# Altium PCB SNES TST Main.PcbDoc (part 3 of 3) (continued)
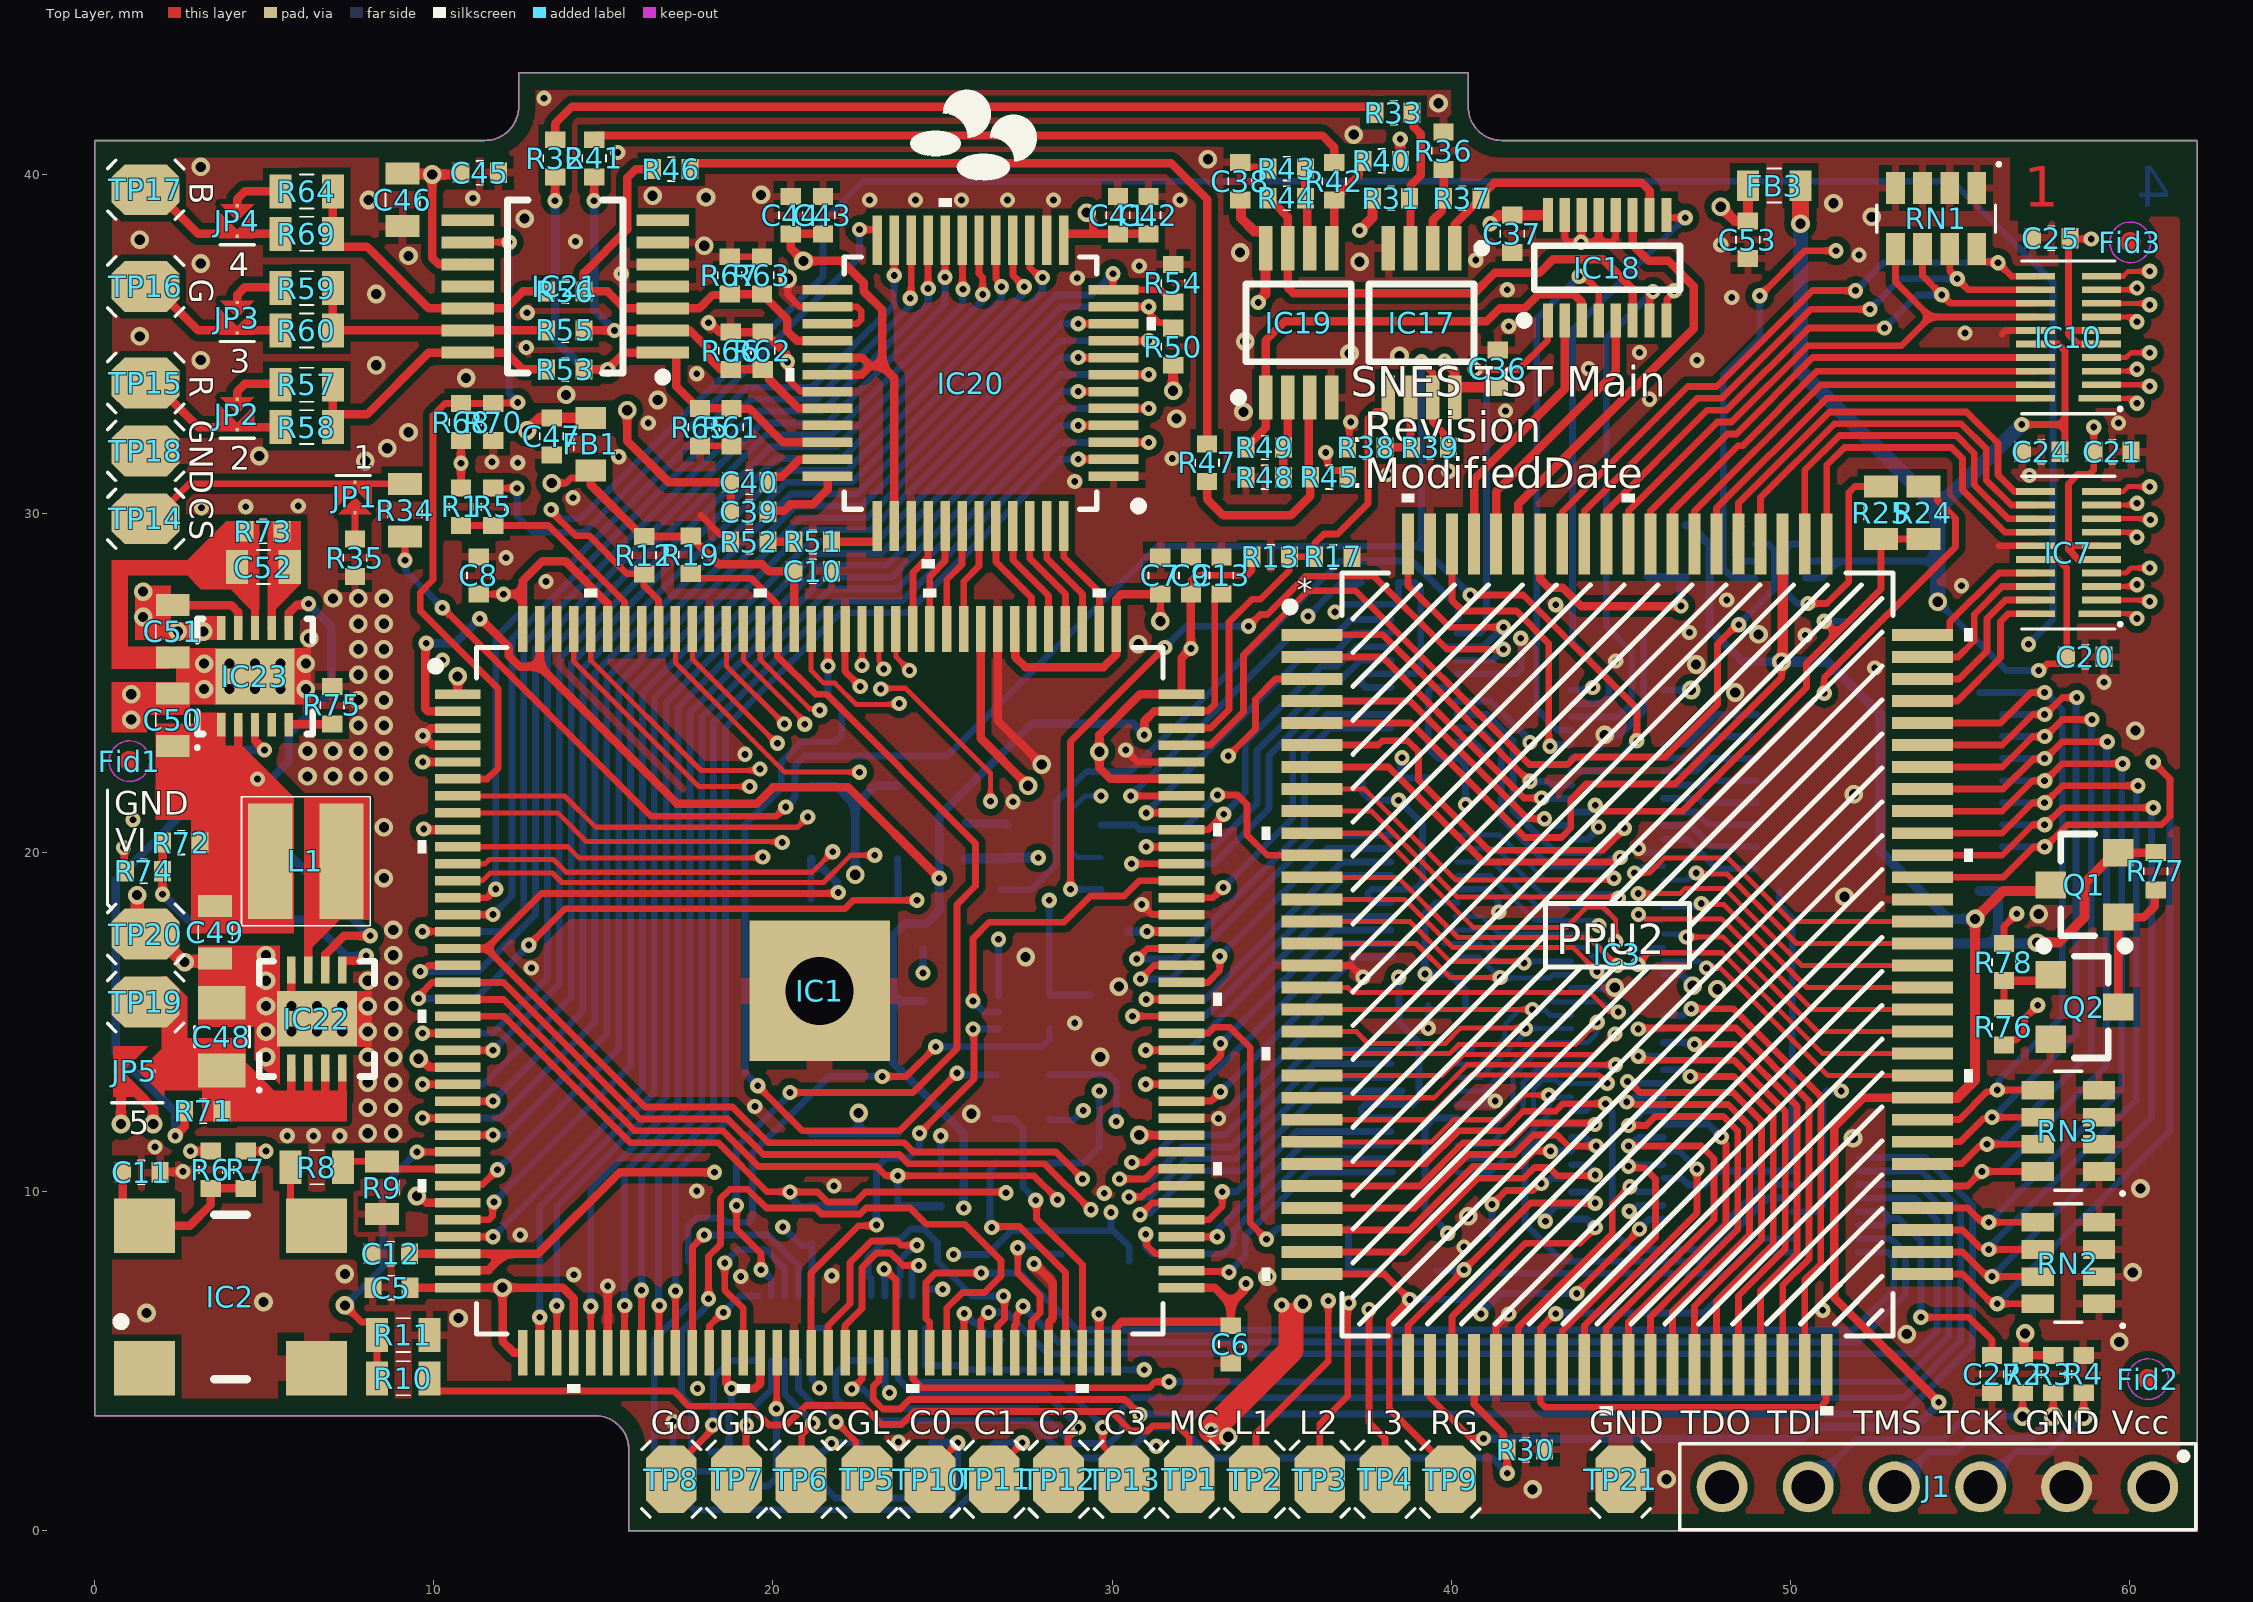
[diagram p0: Top Layer view]
## Nets (pads, with @x,y where several pads share a name; then routed paths per layer and width w, separated by ;. In a path a pad name is that pad's centre, name@x,y a point inside that pad or via, vN(x,y) a via of type N, cw(c..) or ccw(c..) an arc to the next point about the centre after c; other vN are vias at no path point) (continued)
  Power Layer w0.15: v1(20.275,20.3) 20.925,20.3 21.65,21.025 24.44,21.025 28.065,24.65 42.351,24.65 46.626,28.925 58.629,28.925 59.648,27.906 v1(60.226,27.906)
TST3V3: IC1.7 IC7.4 | length 55.6
  Top Layer w0.15: IC1.7@10.703,21.675 13.85,21.675 14.775,20.75 20.725,20.75 v1(21.025,21.05) ; IC7.4@59.175,28.25 59.9,28.25 60.045,28.395 v1(60.599,28.395)
  Power Layer w0.15: v1(21.025,21.05) 21.3,21.325 24.316,21.325 27.941,24.95 42.227,24.95 46.502,29.225 58.753,29.225 59.583,28.395 v1(60.599,28.395)
TST3V4: IC1.141 IC7.7 | length 53.4
  Top Layer w0.15: IC1.141@14.125,26.597 14.125,25.639 17.814,21.95 v1(19.318,21.95) ; IC7.7@59.175,29.45 60.1,29.45 60.245,29.306 v1@60.326,29.306
  Power Layer w0.15: v1(19.318,21.95) 21.252,21.95 21.577,21.625 24.192,21.625 27.817,25.25 42.103,25.25 46.378,29.525 60.006,29.525 v1(60.226,29.306) ; v1@60.276,29.356 v1@60.326,29.306
TST3V5: IC1.140 IC7.8 | length 53.2
  Top Layer w0.15: IC1.140@14.625,26.597 14.625,25.674 17.874,22.425 19.567,22.425 v1(19.614,22.472) ; IC7.8@59.175,29.85 59.875,29.85 60.588,29.85 v1(60.62,29.818)
  Power Layer w0.15: v1(19.614,22.472) 19.628,22.458 21.383,22.458 21.915,21.925 24.068,21.925 27.693,25.55 41.979,25.55 46.254,29.825 v1@60.62,29.825
TST3V6: IC1.135 IC7.9 | length 49.9
  Top Layer w0.15: IC1.135@17.125,26.597 17.125,25.6 20.35,22.375 v1(22.55,22.375) ; IC7.9@59.175,30.25 60.27,30.25 v1@60.326,30.306
  Power Layer w0.15: v1(22.55,22.375) 24.093,22.375 29.343,27.625 39.938,27.625 40.362,28.049 44.054,28.049 46.129,30.125 59.988,30.125 60.169,30.306 v1(60.226,30.306)
TST3V7: IC1.134 IC7.10 | length 49.7
  Top Layer w0.15: IC1.134@17.625,26.597 17.625,25.704 20.101,23.228 v1(20.136,23.228) ; IC7.10@59.175,30.65 59.819,30.65 59.964,30.795 v1(60.599,30.795)
  Power Layer w0.15: v1(20.136,23.228) 20.136,23.193 20.354,22.975 24.269,22.975 29.244,27.95 39.14,27.95 39.8,27.95 40.199,28.349 43.93,28.349 46.005,30.425 58.25,30.425 58.62,30.795 v1(60.599,30.795)
TST3V8: IC1.132 IC10.1 | length 48.9
  Top Layer w0.15: IC1.132@18.625,26.597 18.625,25.506 v1(20.338,23.793) ; IC10.1@59.125,33.4 60.081,33.4 v1(60.226,33.256)
  Power Layer w0.15: v1(20.338,23.793) 20.338,23.754 20.817,23.275 24.145,23.275 29.145,28.275 39.67,28.275 40.044,28.649 43.805,28.649 45.881,30.725 54.245,30.725 56.775,33.256 v1(60.226,33.256)
TST3V9: IC1.131 IC10.2 | length 49.1
  Top Layer w0.15: IC1.131@19.125,26.597 19.125,25.677 20.938,23.865 v1(20.938,23.79) ; IC10.2@59.175,33.8 60.557,33.8 v1(60.601,33.756)
  Power Layer w0.15: v1@21.019,23.79 v1(20.938,23.79) 21.153,23.575 24.021,23.575 29.046,28.6 39.571,28.6 39.92,28.949 43.681,28.949 45.757,31.025 54.121,31.025 56.851,33.756 v1@60.599,33.756
TST3V10: IC1.130 IC10.3 | length 47.6
  Top Layer w0.15: IC1.130@19.625,26.597 19.625,25.7 21.082,24.243 21.333,24.243 v1(21.376,24.2) ; IC10.3@59.175,34.2 60.17,34.2 v1(60.226,34.256)
  Power Layer w0.15: v1(21.376,24.2) 21.626,23.95 23.971,23.95 28.946,28.925 39.471,28.925 39.796,29.249 43.557,29.249 45.632,31.325 53.996,31.325 56.927,34.256 v1(60.226,34.256)
TST3V11: IC1.127 IC10.4 | length 46.9
  Top Layer w0.15: IC1.127@21.125,26.597 21.125,25.37 21.495,25 21.825,25 22.45,24.375 23.7,24.375 v1(23.725,24.4) ; IC10.4@59.175,34.6 59.9,34.6 60.045,34.745 v1(60.599,34.745)
  Power Layer w0.15: v1(23.725,24.4) 23.753,24.428 24.025,24.428 28.847,29.25 39.372,29.25 39.671,29.549 43.433,29.549 45.508,31.625 53.872,31.625 56.992,34.745 v1(60.599,34.745)
TST3V12: IC1.122 IC10.7 | length 43
  Top Layer w0.15: IC1.122@23.625,26.597 23.625,25.775 v1(24.025,25.375) ; IC10.7@59.175,35.8 60.1,35.8 v1@60.245,35.656
  Power Layer w0.15: v1(24.025,25.375) 24.027,25.377 24.55,25.377 28.723,29.55 39.248,29.55 39.547,29.849 43.308,29.849 45.384,31.925 53.748,31.925 57.478,35.656 v1(60.226,35.656)
TST3V13: IC1.123 IC10.8 | length 44.5
  Top Layer w0.15: IC1.123@23.125,26.597 23.125,25.642 23.268,25.499 v1(23.268,25.418) ; IC10.8@59.175,36.2 60.557,36.2 v1(60.601,36.156)
  Power Layer w0.15: v1(23.268,25.418) 23.675,25.825 24.574,25.825 28.599,29.85 39.124,29.85 39.423,30.149 43.184,30.149 45.26,32.225 53.624,32.225 57.554,36.156 v1@60.599,36.156
TST3V14: IC1.124 IC10.9 | length 44.4
  Top Layer w0.15: v1(22.624,25.522) IC1.124@22.625,26.597 ; IC10.9@59.175,36.6 60.17,36.6 v1(60.226,36.656)
  Power Layer w0.15: v1(22.624,25.522) 22.632,25.522 23.235,26.125 24.449,26.125 28.474,30.15 38.999,30.15 39.299,30.449 43.06,30.449 45.135,32.525 53.499,32.525 57.63,36.656 v1(60.226,36.656)
TST3V15: IC1.12 IC10.10 | length 69.2
  Top Layer w0.15: IC1.12@10.703,19.175 11.437,19.175 11.662,19.4 13.501,19.4 13.776,19.125 21.493,19.125 22.293,19.925 v1(23,19.925) ; v1(23.175,24.825) 23.2,24.85 23.911,24.85 26.409,22.352 26.409,21.522 v1(26.416,21.516) ; IC10.10@59.175,37 59.819,37 59.964,37.145 v1(60.599,37.145)
  Power Layer w0.15: v1(23,19.925) 24.825,19.925 v1(26.416,21.516) ; v1(23.175,24.825) 22.762,24.412 22.388,24.412 22.125,24.675 22.125,25.85 22.7,26.425 24.325,26.425 28.35,30.45 38.875,30.45 39.174,30.749 42.936,30.749 45.011,32.825 53.375,32.825 57.695,37.145 v1(60.599,37.145)
TST5V0: IC3.77 IC7.20 | length 5
  Top Layer w0.2: IC3.77@53.9,24.475 54.925,24.475 56.2,25.75 56.2,26.815 56.435,27.05 IC7.20@57.225,27.05
TST5V1: IC3.78 IC7.19 | length 4.9
  Top Layer w0.2: IC3.78@53.9,25.125 54.975,25.125 55.8,25.95 55.8,26.91 56.34,27.45 IC7.19@57.225,27.45
TST5V2: IC3.79 IC7.18 | length 4.6
  Top Layer w0.2: IC3.79@53.9,25.775 54.95,25.775 55.425,26.25 55.425,27.03 56.245,27.85 IC7.18@57.225,27.85
TST5V3: IC3.80 IC7.17 | length 3.5
  Top Layer w0.2: IC3.80@54.625,26.425 54.7,26.5 54.7,26.8 56.15,28.25 IC7.17@57.225,28.25
TST5V4: IC3.81 IC7.14 | length 10.3
  Top Layer w0.2: IC3.81@51.075,29.1 51.075,31.433 51.592,31.95 54.75,31.95 55.075,31.625 55.075,30.7 56.325,29.45 IC7.14@57.225,29.45
TST5V5: IC3.82 IC7.13 | length 11
  Top Layer w0.2: IC3.82@50.425,29.1 50.425,31.278 51.447,32.3 54.895,32.3 55.425,31.77 55.425,30.845 56.42,29.85 IC7.13@57.225,29.85
TST5V6: IC3.84 IC7.12 | length 11.9
  Top Layer w0.2: IC3.84@49.125,29.1 49.125,30.473 51.302,32.65 55.04,32.65 55.775,31.915 55.775,30.99 56.515,30.25 IC7.12@57.225,30.25
TST5V7: IC3.85 IC7.11 | length 12.6
  Top Layer w0.2: IC3.85@48.475,29.1 48.475,30.318 51.157,33 55.2,33 56.125,32.075 56.125,31.135 56.61,30.65 IC7.11@57.225,30.65
TST5V8: IC3.86 IC10.20 | length 11.8
  Top Layer w0.2: IC3.86@47.825,29.1 47.825,30.163 51.062,33.4 IC10.20@57.225,33.4
TST5V9: IC3.87 IC10.19 | length 12.6
  Top Layer w0.2: IC3.87@47.175,29.1 47.175,30.075 50.9,33.8 IC10.19@57.225,33.8
TST5V10: IC3.88 IC10.18 | length 13.4
  Top Layer w0.2: IC3.88@46.525,29.1 46.525,30.075 48.45,32 48.588,32 50.789,34.2 IC10.18@57.225,34.2
TST5V11: IC3.89 IC10.17 | length 14.2
  Top Layer w0.2: IC3.89@45.875,29.1 45.875,30.075 48.15,32.35 48.41,32.35 50.66,34.6 IC10.17@57.225,34.6
TST5V12: IC3.90 IC10.14 RN1.5 | length 17.8
  Top Layer w0.2: IC3.90@45.225,29.1 45.225,30.075 47.85,32.7 48.265,32.7 50.515,34.95 53.277,34.95 54.127,35.8 ; RN1.5@53.1,37.8 53.1,36.827 54.127,35.8 ; IC10.14@57.225,35.8 54.127,35.8
TST5V13: IC3.91 IC10.13 RN1.6 | length 18
  Top Layer w0.2: IC3.91@44.575,29.1 44.575,30.075 47.55,33.05 48.12,33.05 50.545,35.475 v1(52.775,35.475) ; RN1.6@53.9,37.8 53.9,37.016 v1(54.466,36.45) 54.716,36.2 IC10.13@57.225,36.2
  Bottom Layer w0.2: v1(52.775,35.475) 53.75,36.45 v1(54.466,36.45)
TST5V14: IC3.92 IC10.12 RN1.7 | length 18.2
  Top Layer w0.2: IC3.92@43.925,29.1 43.925,30.075 47.25,33.4 47.975,33.4 50.6,36.025 v1(52.35,36.025) ; RN1.7@54.7,37.8 54.7,37.16 54.925,36.935 v1(54.925,36.925) 55.25,36.6 IC10.12@57.225,36.6
  Bottom Layer w0.2: v1(52.35,36.025) 53.25,36.925 v1(54.925,36.925)
TST5V15: IC3.93 IC10.11 RN1.8 | length 19
  Top Layer w0.2: IC3.93@43.275,29.1 43.275,30.05 46.975,33.75 47.83,33.75 50.655,36.575 v1(51.925,36.575) ; RN1.8@55.5,37.8 55.5,37.6 55.675,37.425 v1@56.1,37.425 ; v1(56.125,37.4) 56.525,37 IC10.11@57.225,37
  Bottom Layer w0.2: v1(51.925,36.575) 52.75,37.4 v1(56.125,37.4)
VBLANK3V: IC1.64 IC11.4 | length 35.8
  Top Layer w0.2: IC1.64@26.125,5.303 26.125,6.202 26.355,6.433 v1(26.355,6.445)
  Bottom Layer w0.2: v1(26.355,6.445) 26.88,6.445 28.1,5.225 53.648,5.225 54.325,5.902 54.325,9.175 53.685,9.815 IC11.4@52.007,9.815
VBLANK5V: IC3.26 IC11.17 J2.66 | length 22.7
  Top Layer w0.2: IC3.26@35.9,10.175 39.08,10.175 40.355,11.45 41.7,11.45 42.276,12.026 44.2,12.026 v1(44.238,11.987)
  Bottom Layer w0.2: v1@44.225,12 J2.66@43.545,12 43.057,12 42.177,11.12 42.177,9.061 43.288,7.95 47.46,7.95 49.325,9.815 IC11.17@50.057,9.815
VCCA: C12.1 C13.1 FB2.2 IC1.2 IC1.34 IC1.35 IC1.71 IC1.107 IC1.143 | length 77
  Top Layer w0.2: IC1.107@32.047,24.175 32.825,24.175 33.025,24.375 C13.1@33.025,27.625
  Top Layer w0.25: C12.1@9.45,8.175 IC1.34@10.703,8.175 12.1,8.175 ; v1(9.775,26.175) 9.752,26.152 9.752,24.245 9.821,24.175 IC1.2@10.703,24.175 ; IC1.35@10.703,7.675 10.718,7.69 11.615,7.69 12.1,8.175 ; v1(11.35,26.9) 11.375,26.9 12.21,26.065 12.21,25.806 12.526,25.49 13.125,25.49 ; IC1.143@13.125,26.597 13.125,25.49 ; v1(18.275,10.575) 15.475,10.575 13.075,8.175 12.1,8.175 ; v1@24.888,19.262 22.225,21.925 20,21.925 19.525,21.45 17.165,21.45 13.125,25.49 ; IC1.71@29.625,5.253 v1@29.625,6.388 ; v1(30.95,23.475) 30.95,23.875 31.25,24.175 IC1.107@32.047,24.175
  Power Layer w0.25: v1(18.275,10.575) 18.81,11.11 21.89,11.11 23.478,9.522 v1(25.625,9.522) ; v1@25.809,9.479 26.799,9.479 28.739,7.539 28.739,6.782 29.122,6.4 v1(29.612,6.4)
  Bottom Layer w0.25: v1(9.775,26.175) 10.625,26.175 v1(11.35,26.9) ; FB2.2@24.425,15.625 23.535,15.625 ; v1(25.625,9.522) 25.625,11.725 23.535,13.815 23.535,15.625 ; v1(30.95,23.475) 30.625,23.8 27.625,23.8 24.9,21.075 v1(24.9,19.25) 24.9,18.275 24.525,17.9 23.875,17.9 23.535,17.56 23.535,15.625
VCLD: IC3.40 J2.67 | length 11.2
  Top Layer w0.2: IC3.40@44.575,4.9 44.575,6.005 44.875,6.305 46.075,7.505 47.75,9.18 47.75,10.975 47.371,11.354 v1(45.225,11.354)
  Bottom Layer w0.2: v1(45.225,11.354) 45.293,11.354 45.539,11.6 J2.67@46.255,11.6
VDA0: IC3.60 J2.41 | length 9.1
  Top Layer w0.15: v1@47.522,16.575 47.522,16.596 v1(47.527,16.601) 47.935,16.601 51.11,13.425 IC3.60@53.9,13.425
  Bottom Layer w0.15: J2.41@46.255,16.8 47.289,16.8 47.489,16.601 v1(47.527,16.601)
VDA1: IC3.61 J2.39 | length 10.7
  Top Layer w0.15: v1(45.502,16.701) 45.852,17.051 47.98,17.051 50.955,14.075 IC3.61@53.9,14.075
  Bottom Layer w0.15: v1@45.5,16.815 45.885,17.2 J2.39@46.255,17.2
VDA2: IC3.62 J2.37 | length 9
  Top Layer w0.15: v1(46.932,17.515) 48.01,17.515 48.095,17.43 50.8,14.725 IC3.62@53.9,14.725
  Bottom Layer w0.15: J2.37@46.255,17.6 46.847,17.6 v1(46.932,17.515) v1@47.017,17.43
VDA3: IC3.63 J2.35 | length 10.1
  Top Layer w0.15: 45.745,18.05 47.97,18.05 50.645,15.375 IC3.63@53.9,15.375
  Bottom Layer w0.15: v1(45.525,18.175) 45.588,18.175 45.763,18 J2.35@46.255,18
VDA4: IC3.64 J2.33 | length 8.7
  Top Layer w0.15: v1(47.375,18.5) 47.4,18.475 48.04,18.475 50.49,16.025 IC3.64@53.9,16.025
  Bottom Layer w0.15: J2.33@46.255,18.4 47.219,18.4 47.319,18.5 v1(47.375,18.5)
VDA5: IC3.65 J2.31 | length 10.1
  Top Layer w0.15: v1(45.519,18.8) 46.755,18.8 46.905,18.95 48.06,18.95 48.085,18.925 50.335,16.675 IC3.65@53.9,16.675
  Bottom Layer w0.15: v1(45.519,18.8) J2.31@46.255,18.8
VDA6: IC3.66 J2.29 | length 8.6
  Top Layer w0.15: v1(47.225,19.4) 47.25,19.375 48.13,19.375 50.18,17.325 IC3.66@53.9,17.325
  Bottom Layer w0.15: J2.29@46.255,19.2 46.969,19.2 47.144,19.375 47.2,19.375 v1(47.225,19.4)
VDA7: IC3.67 J2.27 | length 10.4
  Top Layer w0.15: v1(45.402,19.401) 45.851,19.401 46.3,19.85 48.15,19.85 48.4,19.6 50.025,17.975 IC3.67@53.9,17.975
  Bottom Layer w0.15: v1(45.402,19.401) 45.483,19.401 45.682,19.6 45.725,19.6 J2.27@46.255,19.6
VDB0: IC3.51 IC3.69 IC5.18 RN2.8 | length 33.2
  Top Layer w0.2: IC3.51@53.9,7.575 55.075,7.575 55.902,6.748 56.052,6.748 v1(56.1,6.7) RN2.8@57.3,6.7 ; IC3.69@53.9,19.275 56.275,19.275 57.166,20.166 57.491,20.166 v1(57.5,20.175) 57.522,20.175 58.172,20.825 60.95,20.825 61.2,21.075 61.2,22.175 v1(60.7,22.675)
  Bottom Layer w0.2: v1(56.1,6.7) 61.2,11.8 61.2,22.175 v1(60.7,22.675) ; IC5.18@56.25,20.175 v1(57.5,20.175)
VDB1: IC3.52 IC3.70 IC5.17 RN2.7 | length 28.1
  Top Layer w0.2: IC3.52@53.9,8.225 55.075,8.225 55.752,7.548 55.902,7.548 v1(55.95,7.5) RN2.7@57.3,7.5 ; IC3.70@53.9,19.925 56.25,19.925 57.15,20.825 v1(57.5,20.825) 57.522,20.825 58.022,21.325 v1(60.7,21.325)
  Bottom Layer w0.2: v1(55.95,7.5) 60.652,12.202 60.652,21.1 60.652,21.277 v1(60.7,21.325) ; IC5.17@56.25,20.825 v1(57.5,20.825)
VDB2: IC3.53 IC3.71 IC5.16 RN2.6 | length 27.3
  Top Layer w0.2: IC3.53@53.9,8.875 55.075,8.875 55.602,8.348 55.752,8.348 55.8,8.3 RN2.6@57.3,8.3 ; IC3.71@53.9,20.575 56.25,20.575 57.15,21.475 v1(57.5,21.475) 57.522,21.475 58.022,21.975 v1(60.25,21.975)
  Bottom Layer w0.2: v1(55.85,8.3) 55.85,8.35 60.202,12.702 60.202,21.752 60.202,21.927 v1(60.25,21.975) ; IC5.16@56.25,21.475 v1(57.5,21.475)
VDB3: IC3.54 IC3.72 IC5.15 RN2.5 | length 26.5
  Top Layer w0.2: IC3.54@53.9,9.525 55.225,9.525 55.65,9.1 RN2.5@57.3,9.1 ; IC3.72@53.9,21.225 56.25,21.225 57.15,22.125 v1(57.5,22.125) 57.522,22.125 58.022,22.625 v1(59.8,22.625)
  Bottom Layer w0.2: v1(55.85,9.1) 59.775,13.025 59.775,22.6 v1(59.8,22.625) ; IC5.15@56.25,22.125 v1(57.5,22.125)
VDB4: IC3.55 IC3.73 IC5.14 RN3.8 | length 25.4
  Top Layer w0.2: IC3.55@53.9,10.175 55.225,10.175 v1(55.65,10.6) RN3.8@57.3,10.6 ; IC3.73@53.9,21.875 56.275,21.875 57.166,22.766 57.491,22.766 v1(57.5,22.775) 57.522,22.775 58.022,23.275 v1(59.35,23.275)
  Bottom Layer w0.2: v1(55.65,10.6) 56.2,10.6 59.325,13.725 59.325,23.25 v1(59.35,23.275) ; IC5.14@56.25,22.775 v1(57.5,22.775)
VDB5: IC3.56 IC3.74 IC5.13 RN3.7 | length 24.5
  Top Layer w0.2: IC3.56@53.9,10.825 55.05,10.825 55.577,11.352 55.752,11.352 v1(55.8,11.4) RN3.7@57.3,11.4 ; IC3.74@53.9,22.525 56.25,22.525 57.15,23.425 v1(57.5,23.425) 57.522,23.425 58.022,23.925 v1(58.9,23.925)
  Bottom Layer w0.2: v1(55.8,11.4) 55.846,11.446 56.197,11.446 58.875,14.125 v1@58.875,23.925 ; IC5.13@56.25,23.425 v1(57.5,23.425)
VDB6: IC3.57 IC3.75 IC5.12 RN3.6 | length 23.5
  Top Layer w0.2: IC3.57@53.9,11.475 55,11.475 55.677,12.152 55.902,12.152 v1(55.95,12.2) RN3.6@57.3,12.2 ; IC3.75@53.9,23.175 56.25,23.175 57.15,24.075 v1(57.5,24.075) 57.522,24.075 58.022,24.575 v1(58.45,24.575)
  Bottom Layer w0.2: v1(55.95,12.2) 55.991,12.2 58.425,14.634 v1@58.425,24.575 ; IC5.12@56.25,24.075 v1(57.5,24.075)
VDB7: IC3.58 IC3.76 IC5.11 RN3.5 | length 22.4
  Top Layer w0.2: IC3.58@53.9,12.125 53.908,12.133 54.983,12.133 55.804,12.954 56.054,12.954 v1(56.1,13) RN3.5@57.3,13 ; IC3.76@53.9,23.825 56.2,23.825 57.1,24.725 v1(57.5,24.725)
  Bottom Layer w0.2: IC5.11@55.575,24.725 v1(57.5,24.725) ; v1(56.1,13) 56.146,13.046 56.146,13.296 58.019,15.169 58.019,24.228 v1@57.522,24.725
VDBCON0: IC5.2 J2.23 | length 3.1
  Bottom Layer w0.2: J2.23@46.255,20.4 46.961,20.4 47.836,19.525 IC5.2@49,19.525
VDBCON1: IC5.3 J2.21 | length 3
  Bottom Layer w0.2: J2.21@46.255,20.8 47.075,20.8 47.7,20.175 IC5.3@49,20.175
VDBCON2: IC5.4 J2.19 | length 2.9
  Bottom Layer w0.2: J2.19@46.255,21.2 47.205,21.2 47.58,20.825 IC5.4@49,20.825
VDBCON3: IC5.5 J2.17 | length 2.8
  Bottom Layer w0.2: J2.17@46.255,21.6 47.3,21.6 47.425,21.475 IC5.5@49,21.475
VDBCON4: IC5.6 J2.15 | length 2.8
  Bottom Layer w0.2: J2.15@46.255,22 47.3,22 47.425,22.125 IC5.6@49,22.125
VDBCON5: IC5.7 J2.13 | length 2.9
  Bottom Layer w0.2: J2.13@46.255,22.4 47.205,22.4 47.58,22.775 IC5.7@49,22.775
VDBCON6: IC5.8 J2.11 | length 3
  Bottom Layer w0.2: J2.11@46.255,22.8 47.075,22.8 47.7,23.425 IC5.8@49,23.425
VDBCON7: IC5.9 J2.9 | length 3.1
  Bottom Layer w0.2: J2.9@46.255,23.2 46.95,23.2 47.825,24.075 IC5.9@49,24.075
VIN: C48.2 IC22.1 IC22.2 IC22.3 IC22.4 JP5.2 R71.1 TP19.1 | length 4.1
  Top Layer w0.25: IC22.1@5.8,13.655 5.8,12.625 5.875,12.55 ; 6.25,12.7 6.3,12.75 IC22.2@6.3,13.655 ; 6.775,12.65 6.8,12.675 IC22.3@6.8,13.655 ; 7.3,12.725 IC22.4@7.3,13.655
pads on no net: IC2.1 IC21.7 IC21.8 IC21.11 IC23.4 J2.0 J2.3 J2.5 J2.7 J2.45 J2.47

## Polygon pours and split planes (outlines as drawn)
3.3V on Power Layer "3.3V Plane" (solid, remove dead copper, pour order 13): 0,3.4 0,41 11.5,41 ccw(c11.5,42) 12.5,42 12.5,43 40.5,43 40.5,42 ccw(c41.5,42) 41.5,41 62,41 62,0 15.75,0 15.75,2.4 ccw(c14.75,2.4) 14.75,3.4
5V on Power Layer "5V Plane" (solid, remove dead copper, pour order 10): 0,3.4 14.75,3.4 cw(c14.75,2.4) 15.75,2.4 15.75,0 44.3,0 50.575,6.275 50.575,11.25 50.95,11.625 53.325,11.625 57.325,15.625 57.325,32.55 55.85,34.025 45.475,34.025 41.875,37.625 33.9,37.625 33.9,33.35 32.45,31.9 32.45,30.775 33.9,29.325 39.125,20.275 27.163,20.275 26.666,18.3 38.325,18.3 38.325,9.95 35.04,6.665 32.665,6.665 30.4,4.4 30.4,2.025 23.325,2.025 22.452,2.025 22.452,4.002 21.504,4.95 21.175,4.95 19.75,3.4 18.25,3.4 15.875,5.9 7.225,5.9 3.85,9.275 3.85,11.9 2.4,13.35 0,13.35
3.3V_A on Power Layer "3.3V Analog" (solid, pour order 12): 0,28.7 0,41 11.5,41 ccw(c11.5,42) 12.5,42 12.5,43 32.45,43 32.45,38.05 28.3,38.05 28.3,39.675 22,39.675 22,38.475 19.917,36.392 15.6,32.075 9.475,32.075 6.1,28.7
5V_A on Power Layer "5V Analog" (solid, pour order 8): 32.45,31.025 32.45,31.263 32.437,31.263 33.8,32.625 33.8,39.25 36.025,41.475 37.975,41.475 40.025,39.425 49.95,39.425 49.95,33.275 45.05,33.275 42.8,31.025
GND on Ground Layer "Ground Layer" (solid, remove dead copper, pour order 1): 0,3.4 0,41 11.5,41 ccw(c11.5,42) 12.5,42 12.5,43 40.5,43 40.5,42 ccw(c41.5,42) 41.5,41 62,41 62,0 15.75,0 15.75,2.4 ccw(c14.75,2.4) 14.75,3.4
GND on Top Layer "TOP GND" (solid, remove dead copper, pour order 0): 0,3.4 0,41 11.5,41 ccw(c11.5,42) 12.5,42 12.5,43 40.5,43 40.5,42 ccw(c41.5,42) 41.5,41 62,41 62,0 15.75,0 15.75,2.4 ccw(c14.75,2.4) 14.75,3.4
GND on Bottom Layer "BOT GND" (solid, remove dead copper, pour order 2): 0,3.4 0,41 11.5,41 ccw(c11.5,42) 12.5,42 12.5,43 40.5,43 40.5,42 ccw(c41.5,42) 41.5,41 62,41 62,0 15.75,0 15.75,2.4 ccw(c14.75,2.4) 14.75,3.4

## Keep-outs
Keep-Out Layer:
  lines w0.05: 40.5,42 ccw(c41.5,42) 41.5,41 62,41 62,0 15.75,0 15.75,2.4 ccw(c14.75,2.4) 14.75,3.4 0,3.4 0,41 11.5,41 ccw(c11.5,42) 12.5,42 12.5,43 40.5,43 40.5,42 ; 40.5,42 40.5,42

## Other copper
Top Layer:
  pour cut-out: 38.525,38.8 37.925,38.8 37.925,39.8 38.525,39.8
  pour cut-out: 37.65,40.9 38.25,40.9 38.25,39.9 37.65,39.9
  pour cut-out: 40.025,39.8 40.625,39.8 40.625,38.8 40.025,38.8
  pour cut-out: 37.05,40.1 37.05,39.5 36.05,39.5 36.05,40.1
  pour cut-out: 38.6,41.325 38,41.325 38,42.325 38.6,42.325
  region net GND: 5.45,13.175 4.725,13.9 4.725,14.875 3.05,14.875 3.05,16.05 3.05,16.55 3.05,17.25 5.45,17.25
  pour cut-out: 0.025,29.975 0.025,12.075 7.4,12.075 7.4,21.762 6.19,21.761 5.363,22.588 5.375,24.375 5.75,24.375 5.75,27.775 6.275,27.778 6.275,29.975 5.75,29.975
  region net GND: 4.15,27.775 3.125,27.775 2.725,28.175 0.975,28.175 0.975,26.075 2.2,26.075 2.2,25.425 0.5,25.425 0.5,28.625 2.725,28.625 3.875,29.775 4.15,29.775
  region net VIN: 3.175,13 2.05,13 1.975,13.075 1.975,16.35 2.125,16.35 2.5,15.975 2.725,15.75 2.725,14.525 4.45,14.525 4.45,13.825 5.3,12.975 7.425,12.975 7.425,12.075 3.175,12.075
  region net GND: 7.725,15.92 7.725,14.281 8.175,14.281 8.175,15.92
  region net GND: 5.85,26.025 5.85,24.375 6.375,24.375 6.375,26.025
  region net GND: 3.57,26.025 2.8,26.025 2.8,26.075 2.4,26.075 2.4,25.025 0.5,25.025 0.5,23.55 1.534,23.55 1.534,24.075 2.775,24.075 2.8,24.1 2.8,24.375 3.57,24.375
  region net 3.3V: 2.237,26.275 3.725,26.275 3.725,26.975 3.075,26.975 3.075,26.775 2.237,26.775 2.237,27.875 1.2,27.875 1.2,26.275
  region net GND: 4.849,27.169 4.849,29.775 3.875,29.775 3.875,27.9 4.606,27.169
  region net NetC52_2: 5.101,27.199 5.101,29.775 6.075,29.775 6.075,27.925 5.349,27.199
  region net NetIC22_7: 6.176,17.225 6.176,21.6 8.075,21.6 8.075,18.025 7.225,18.025 6.425,17.225
  region net 3.8V: 5.875,17.625 2.85,17.625 2.85,20.975 1.8,20.975 1.8,23.8 3.075,23.8 3.075,24.125 3.85,24.125 3.85,23.425 3.85,23.161 4.348,23.161 5.875,21.634
  pour cut-out: 17.35,32.25 17.35,32.85 18.35,32.85 18.35,32.25
  pour cut-out: 18.275,32.25 18.275,32.85 19.275,32.85 19.275,32.25
  pour cut-out: 18.25,34.5 18.25,35.1 19.25,35.1 19.25,34.5
  pour cut-out: 19.2,34.5 19.2,35.1 20.2,35.1 20.2,34.5
  pour cut-out: 19.175,36.725 19.175,37.325 20.175,37.325 20.175,36.725
  pour cut-out: 18.225,36.725 18.225,37.325 19.225,37.325 19.225,36.725
  pour cut-out: 16.7,40.66 17.3,40.66 17.3,39.66 16.7,39.66
  pour cut-out: 36.7,30.575 36.1,30.575 36.1,31.575 36.7,31.575
  pour cut-out: 34.2,32.45 34.8,32.45 34.8,31.45 34.2,31.45
  pour cut-out: 32.3,31.2 32.3,31.8 33.3,31.8 33.3,31.2
  pour cut-out: 34.85,39.8 35.45,39.8 35.45,38.8 34.85,38.8
  pour cut-out: 14.225,40.175 14.225,40.775 15.225,40.775 15.225,40.175
  pour cut-out: 13.075,40.175 13.075,40.775 14.075,40.775 14.075,40.175
  pour cut-out: 13.575,37.05 14.175,37.05 14.175,36.05 13.575,36.05
  pour cut-out: 13.575,34.75 14.175,34.75 14.175,33.75 13.575,33.75
  pour cut-out: 13.575,35.9 14.175,35.9 14.175,34.9 13.575,34.9
  pour cut-out: 5.8,34.5 6.7,34.5 6.7,31.85 5.8,31.85
  pour cut-out: 5.8,37.35 6.7,37.35 6.7,34.7 5.8,34.7
  pour cut-out: 5.8,40.2 6.7,40.2 6.7,37.55 5.8,37.55
  text "1" at 56.882,39.046 h1.2
Ground Layer:
  text "2" at 56.557,39.046 h1.2
Power Layer:
  text "3" at 59.079,39.046 h1.2
Bottom Layer:
  text "4" at 61.236,39.046 h1.2
Multi-Layer:
  pour cut-out: 56.578,38.751 56.578,40.759 61.751,40.759 61.751,38.751

## Silkscreen, mask and mechanical layers (free items; w line width, h text height)
Top Overlay:
  drawing of 11 lines, arcs and shapes, not listed
  text "B" at 2.8,39.775 h0.7 r270
  text "4" at 3.944,37 h0.7
  text "G" at 2.8,36.925 h0.7 r270
  text "3" at 3.975,34.15 h0.7
  text "R" at 2.8,34.075 h0.7 r270
  text "GND" at 2.8,32.775 h0.7 r270
  text "1" at 7.625,31.325 h0.7
  text "2" at 3.975,31.3 h0.7
  text "SNES TST Main / .Revision / .ModifiedDate" at 37.037,30.75 h0.9
  text "CS" at 2.8,30.475 h0.7 r270
  text "GND" at 0.575,21.125 h0.7
  text "VI" at 0.6,20.025 h0.7
  text "5" at 1,11.7 h0.7
  text "GO" at 16.4,2.85 h0.7
  text "GD" at 18.325,2.85 h0.7
  text "GC" at 20.225,2.85 h0.7
  text "GL" at 22.175,2.85 h0.7
  text "C0" at 24.025,2.85 h0.7
  text "C1" at 25.925,2.85 h0.7
  text "C2" at 27.825,2.85 h0.7
  text "C3" at 29.75,2.85 h0.7
  text "MC" at 31.675,2.85 h0.7
  text "L1" at 33.6,2.85 h0.7
  text "L2" at 35.525,2.85 h0.7
  text "L3" at 37.45,2.85 h0.7
  text "RG" at 39.375,2.85 h0.7
  text "GND" at 44.075,2.85 h0.7
  text "TDO" at 46.775,2.85 h0.7
  text "TDI" at 49.315,2.85 h0.7
  text "TMS" at 51.855,2.85 h0.7
  text "TCK" at 54.395,2.85 h0.7
  text "GND" at 56.935,2.85 h0.7
  text "Vcc" at 59.475,2.85 h0.7
Bottom Overlay:
  lines w0.15: 1.977,36.65 2.977,36.65 ; 1.977,37.775 2.477,38.275 ; 2.477,36.65 2.477,38.275 ; 2.977,37.775 2.477,38.275 ; 13.3,7.5 14.3,7.5 ; 13.3,6.375 13.8,5.875 ; 13.8,7.5 13.8,5.875 ; 14.3,6.375 13.8,5.875
  text "SHVC-CPU-XX / SNSP-CPU-XX" at 11.925,36.1 h0.8
  text "SNS-CPU-GPM-XX / SNS-CPU-RGB-XX / SNS-CPU-APU-XX" at 1.95,9.4 h0.8 r180
Board Outline:
  lines w0.05: 0,41 0,41 ; 0,41 11.5,41 ccw(c11.5,42) 12.5,42 12.5,43 40.5,43 40.5,42 ccw(c41.5,42) 41.5,41 62,41 ; 0,41 0,3.4 14.75,3.4 cw(c14.75,2.4) 15.75,2.4 15.75,0 62,0 62,41 ; 62,41 62,41
Mechanical 4:
  lines w0.05: 48.6,41 41.5,41 cw(c41.5,42) 40.5,42 40.5,43 32.45,43 ; 49.95,34.025 51.944,34.025 55.85,34.025 57.325,32.55 57.325,15.625 53.325,11.625 50.95,11.625 50.575,11.25 50.575,6.275 48.375,4.075 44.3,0 15.75,0 15.75,2.4 ccw(c14.75,2.4) 14.75,3.4 0,3.4 0,13.35 ; 0,13.35 0,28.7 ; 0,13.35 2.4,13.35 3.85,11.9 3.85,9.275 7.225,5.9 9.85,5.9 15.875,5.9 18.25,3.525 ; 0,28.7 6.1,28.7 9.475,32.075 15.6,32.075 22,38.475 22,39.675 28.3,39.675 28.3,38.05 32.45,38.05 32.45,43 ; 0,28.7 0,41 11.5,41 ccw(c11.5,42) 12.5,42 12.5,43 32.45,43 ; 18.25,3.525 19.75,3.525 21.175,4.95 21.504,4.95 22.452,4.002 22.452,2.025 23.325,2.025 30.4,2.025 30.4,4.4 32.665,6.665 35,6.665 35.04,6.665 38.325,9.95 38.325,18.3 26.65,18.3 27.15,20.275 33.9,20.275 33.9,29.325 32.45,30.775 32.45,31.025 ; 18.25,3.525 18.25,3.525 ; 18.25,3.525 18.25,3.525 ; 32.45,31.025 42.525,31.025 44.825,33.325 49.95,33.325 49.95,39.425 40.025,39.425 37.975,41.475 36.025,41.475 33.8,39.25 33.8,32.625 32.437,31.263 32.45,31.263 32.45,31.025

## Text inside footprints (layer, text, board x,y; h text height)
IC1: Mechanical 13 "*" at 11.444,24.29 h1.27
IC3: Top Overlay "PPU2" at 43.101,17 h0.9; Top Overlay "*" at 35.451,27.4 h0.7
IC20: Mechanical 13 "*" at 29.356,31.485 h0.9 r180